# Altium PCB PFC_Stage.PcbDoc (part 2 of 5)
Units mil, origin at the board's own origin, x right, y up, seen from the top; angles counter-clockwise.
Board outline 14960.63 x 6299.21 mil, 2 copper layers (Top Layer, Bottom Layer), stack 64.567 mil thick; 586 components, 249 nets, 1375 pads, 1157 vias.
Unrouted connection lines stored in the file: 732.
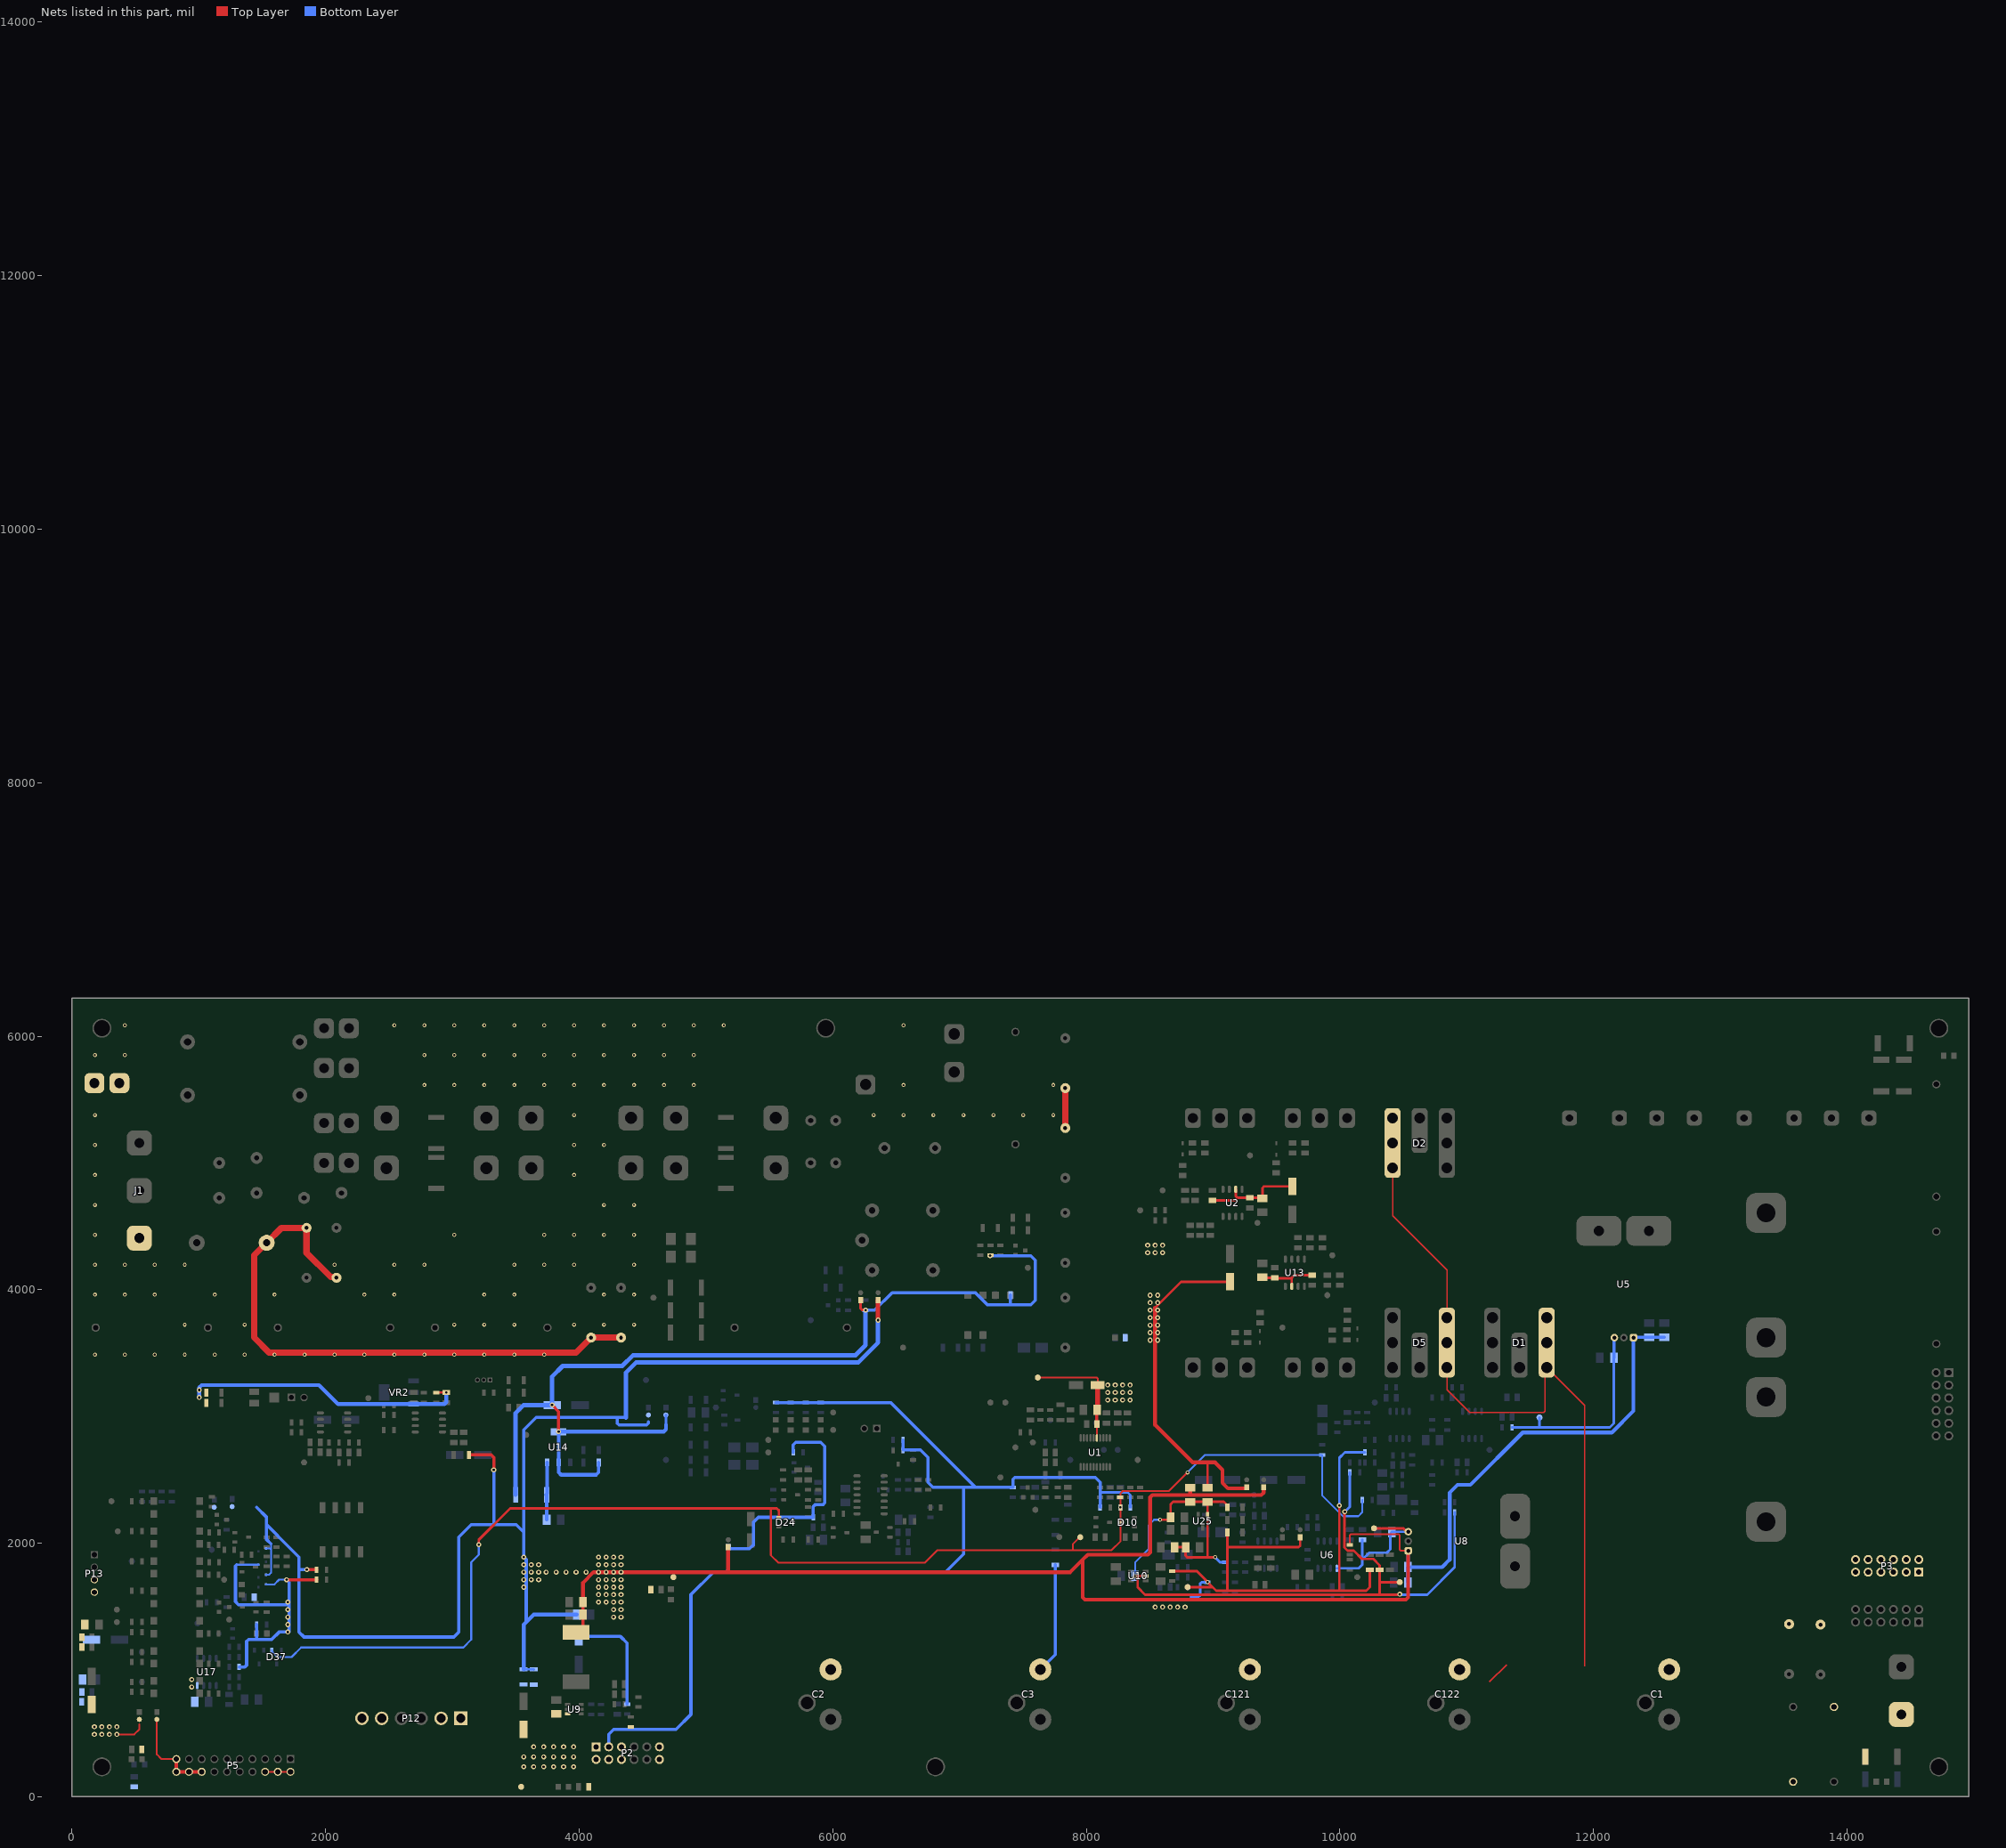
[diagram p2: the nets of this part, all layers, seen from the top]

## Footprints (in the part's own frame and the unit in brackets; to place one, negate y for a bottom-side part, rotate by r counter-clockwise, add the part's x,y. Pads: shape width x height; smd on the part's side, far side on the other; paste and mask are expansions set on the pad) (continued)
MHDR1X3 [mm] "Connector; Header; 3 Position"
  rect 1x1 hole 0.6: 1(0,0)
  round 1 hole 0.6: 2(1.27,0) 3(2.54,0)
  silkscreen extent -0.9,-0.9 3.44,0.9
MOUNTING_HOLE_3MM [mm]
  round 3.8 hole 3.2: 1(0,0)
  silkscreen extent -2.2,-2.2 2.2,2.2, body extent -4.62,-4 4.62,4, height 16.5
Mounting_hole_3mm_no_body [mm]
  round 3.8 hole 3.2: 1(0,0)
  silkscreen extent -2.2,-2.2 2.2,2.2
MOV-14D391K [mm]
  round 2.4 hole 1: 1(0,0) 2(7.5,1)
  silkscreen extent -2,-2 9.5,3, body extent -4.48,-2.12 12.02,3.07, height 23.25
NTC-5D-7 [mm]
  round 2.2 hole 1: 1(0,0) 2(5,0)
  silkscreen extent -1.75,-3 6.75,3, body extent -1.75,-3 6.75,3, height 20.25
PB4010 [mm]
  rrect50% 3x3 hole 1.5: 1(0,0) 2(10,0) 3(25,0) 4(17.5,0)
  silkscreen extent -2.5,-2.3 27.5,3.2, body extent -2.5,-1.6 27.5,3.2, height 30
PFC_TOROID_MPP [mm] "Vertica_Bobbin"
  rrect50% 8x8 hole 3.8: 1(0,0) 2(25,0)
  silkscreen extent -5,-29 30,29, body extent -0.92,-28.63 26.66,28.68, height 58.65
PNSC-FP-V-C_V [mm] "CAPAE, 2-Leads, Body 5.50x5.50mm"
  rect 2.8x1.6 smd: 1(-2.15,0) 2(2.15,0)
  silkscreen extent -4.05,-2.75 2.75,2.75, body extent -3.25,-2.75 3.25,2.75, height 6.1
RELAY_OMRON_5V [mm]
  round 2.8 hole 1.3: 1(6,14.2) 2(0,0) 3(12,0) 4(0,12.2) 5(12,12.2)
  silkscreen extent -2.5,-6 14.5,17, body extent -2.45,-5.85 14.45,16.85, height 19
Relay_T9GS5L14-5 [mm]
  rrect50% 4x4 hole 2.24: 1(-3.81,12.7) 2(13.97,15.24) 3(13.97,22.86)
  round 2.4 hole 1.2: 4(0,0) 5(10.16,0)
  silkscreen extent -6.5,-4.55 16.5,25.5, body extent -5.41,-4.29 15.99,24.61, height 18
SMD-0805-RES [mil]
  rect 60x40 smd: 1(0,40) 2(0,-40)
  silkscreen extent -35,-65 35,65, body extent -24,-39 26,39, height 31
SMD-0805C [mil]
  rect 60x40 smd: 1(0,40) 2(0,-40)
  silkscreen extent -25,0 25,0, body extent -25,-39 25,39, height 35
SMD-1206-RES [mil]
  rect 80x60 smd: 1(0,55) 2(0,-55)
  silkscreen extent -45,-90 45,90, body extent -34,-66 34,66, height 33
SMD-1206C [mil]
  rect 80x60 smd: 1(0,55) 2(0,-55)
  silkscreen extent -45,-90 45,90, body extent -31,-63 32,63, height 39
SMD-2512-RES [mil]
  rect 49x125 smd: 1(-125.5,0) 2(125.5,0)
  silkscreen extent -125,-75 125,75, body extent -125,-59 125,59, height 63
SODFL250X110-2N [mm] "SODFL, 2-Leads, Body 1.30x2.50mm, IPC Medium Density"
  rect 0.8x0.4 smd: 1(-1.15,0) 2(1.15,0)
  silkscreen extent -0.9,-0.7 1.52,0.7, body extent -1.25,-0.7 1.25,0.7, height 1.1
"SOIC127P570X175_HS-9N - No Thermal" [mm] "SOIC, 8-Leads, Body 4.91x3.90mm, Pitch 1.27mm, Thermal Pad 3.00x3.00mm, IPC Medium Density"
  oval 1.45x0.6 smd: 1(-2.725,1.905) 2(-2.725,0.635) 3(-2.725,-0.635) 4(-2.725,-1.905) 5(2.725,-1.905) 6(2.725,-0.635) 7(2.725,0.635) 8(2.725,1.905)
  silkscreen extent -2.85,-2.5 1.6,2.88, body extent -2.77,-2.5 2.77,2.5, height 1.75
"SOIC127P570X175_HS-9N - NO THERMAL" [mm] "SOIC, 8-Leads, Body 4.91x3.90mm, Pitch 1.27mm, Thermal Pad 3.00x3.00mm, IPC Medium Density"
  oval 1.45x0.6 smd: 1(-2.725,1.905) 2(-2.725,0.635) 3(-2.725,-0.635) 4(-2.725,-1.905) 5(2.725,-1.905) 6(2.725,-0.635) 7(2.725,0.635) 8(2.725,1.905)
  silkscreen extent -2.85,-2.5 1.6,2.88, body extent -2.77,-2.5 2.77,2.5, height 1.75
SOIC127P600X265-14N [mm] "SOIC, 14-Leads, Body 8.65x3.90mm, Pitch 1.27mm, IPC Medium Density"
  oval 1.45x0.6 smd: 1(-2.725,3.81) 2(-2.725,2.54) 3(-2.725,1.27) 4(-2.725,0) 5(-2.725,-1.27) 6(-2.725,-2.54) 7(-2.725,-3.81) 8(2.725,-3.81) 9(2.725,-2.54) 10(2.725,-1.27) 11(2.725,0) 12(2.725,1.27) 13(2.725,2.54) 14(2.725,3.81)
  silkscreen extent -2.85,-4.4 1.6,4.78, body extent -3,-4.4 3,4.4, height 2.65
"Solder Bridge - HP" [mm]
  rect 1.2x1 smd: 1(-1.5,0)
  round 1 smd: 2(0,0)
  Top Layer region: 1.173,-0.432 0.816,-0.947 0.253,-1.224 -0.373,-1.193 -0.905,-0.862 -1.21,-0.314 -1.21,0.313 -0.906,0.861 -0.374,1.193 0.252,1.224 0.815,0.948 1.173,0.433 1.173,0.433 0.614,0.43 0.329,0.674 -0.039,0.749 -0.397,0.636 -0.656,0.364 -0.75,0 -0.656,-0.364 -0.397,-0.636 -0.039,-0.749 0.329,-0.674 0.614,-0.43 0.614,-0.43
  Top Layer region: 0,-0.254 0,0.254 1.27,0.254 1.27,-0.254
"SOLDER BRIDGE - HP" [mm]
  rect 1.2x1 smd: 1(-1.5,0)
  round 1 smd: 2(0,0)
  Top Layer region: 1.173,-0.432 0.816,-0.947 0.253,-1.224 -0.373,-1.193 -0.905,-0.862 -1.21,-0.314 -1.21,0.313 -0.906,0.861 -0.374,1.193 0.252,1.224 0.815,0.948 1.173,0.433 1.173,0.433 0.614,0.43 0.329,0.674 -0.039,0.749 -0.397,0.636 -0.656,0.364 -0.75,0 -0.656,-0.364 -0.397,-0.636 -0.039,-0.749 0.329,-0.674 0.614,-0.43 0.614,-0.43
  Top Layer region: 0,-0.254 0,0.254 1.27,0.254 1.27,-0.254
"Solder Bridge - HP - SQ" [mil]
  rect 19.68x19.68 smd: 1(-30,11) 2(30,-11)
  Top Layer region: -30,-16.5 -30,28.5 30,28.5 30,18.5 -20,18.5 -20,-6.5 13,-6.5 13,-16.5
  Top Layer region: -30,-33.5 -30,-23.5 20,-23.5 20,0.5 -13,0.5 -13,11.5 30,11.5 30,-33.5
SOT95P278X110-3N [mm] "SOT23, 3-Leads, Body 2.90x2.78mm, Pitch 0.95mm, IPC Medium Density"
  rect 1x0.6 smd: 1(-1.375,0.95) 2(-1.375,-0.95) 3(1.375,0)
  silkscreen extent -0.53,-1.55 1.65,1.55, body extent -1.52,-1.53 1.52,1.52, height 1.1
SOT95P278X110-6N [mm] "SOT23, 6-Leads, Body 2.90x2.78mm, Pitch 0.95mm, IPC Medium Density"
  rect 1x0.6 smd: 1(-1.375,0.95) 2(-1.375,0) 3(-1.375,-0.95) 4(1.375,-0.95) 5(1.375,0) 6(1.375,0.95)
  silkscreen extent -1.5,-1.55 0.5,1.92, body extent -1.53,-1.53 1.53,1.53, height 1.1
SOT230P700X180-4N [mm] "SOT223, 4-Leads, Body 6.50x7.00mm (avg), Pitch 2.30mm, IPC Medium Density"
  rect 2.15x1 smd: 1(-2.925,2.3) 2(-2.925,0) 3(-2.925,-2.3)
  rect 2.15x3.25 smd: 2(2.925,0)
  silkscreen extent -3.05,-3.35 1.55,3.47, body extent -3.5,-3.35 3.5,3.35, height 1.8
SPADE_PCB_TERMINAL [mm]
  rrect50% 4x4 hole 2: 1(-2.5,4) 1(2.5,4) 2(-2.5,-4) 2(2.5,-4)
  silkscreen extent -5,-6.5 5,6.5, body extent -4.1,-4.4 4,4.3, height 14
SPADE_PCB_TERMINAL_SINGLE [mm]
  rrect50% 4x4 hole 2: 1(-2.5,0) 1(2.5,0)
  silkscreen extent -5,-2.5 5,2.5, body extent -4,-0.5 4,0.3, height 14
STACKABLE-20MM [mm] "Pin Header, pitch 2.54 mm, THT, Vertical, dual row, 12p"
  rect 1.8x1.8 hole 1.1: 1(0,0)
  round 1.8 hole 1.1: 2(0,2.54) 3(2.54,0) 4(2.54,2.54) 5(5.08,0) 6(5.08,2.54) 7(7.62,0) 8(7.62,2.54) 9(10.16,0) 10(10.16,2.54) 11(12.7,0) 12(12.7,2.54)
  silkscreen extent -1.42,-1.35 14.12,3.89, body extent -1.27,-1.27 13.97,3.81, height 23.12
Test_point_SMD [mm]
  round 1.2 smd: 1(0,0)
TSOP65P640X120_HS-21N [mm] "TSOP, 20-Leads, Body 6.50x4.40mm, Pitch 0.65mm, Thermal Pad 5.00x2.00mm, IPC Medium Density"
  oval 1.5x0.45 smd: 1(-2.9,2.925) 2(-2.9,2.275) 3(-2.9,1.625) 4(-2.9,0.975) 5(-2.9,0.325) 6(-2.9,-0.325) 7(-2.9,-0.975) 8(-2.9,-1.625) 9(-2.9,-2.275) 10(-2.9,-2.925) 11(2.9,-2.925) 12(2.9,-2.275) 13(2.9,-1.625) 14(2.9,-0.975) 15(2.9,-0.325) 16(2.9,0.325) 17(2.9,0.975) 18(2.9,1.625) 19(2.9,2.275) 20(2.9,2.925)
  silkscreen extent -3.02,-3.3 1.75,3.82, body extent -3.2,-3.3 3.2,3.3, height 1.2
VY1472M61Y5UC63V0 [mm]
  round 2 hole 0.8: 1(0,0) 2(10,0)
  silkscreen extent -2.5,-2.5 12.5,2.5, body extent -2.75,-2.5 12.75,2.5, height 27.75
WCAP-ASLL_6.3x5.5 [mm] "Aluminium Electrolytic V-Chip SMT Capacitors, 6.3x5.5mm"
  rect 3.5x1.6 smd: 1(-2.8,0) 2(2.8,0)
  silkscreen extent -3.4,-3.4 3.4,3.4, body extent -3.65,-3.3 3.65,3.3, height 5.5
WCAP-ASLU_6.3x5.5 [mm] "Aluminum Electrolytic Capacitors, body diameter 6.3mm"
  rect 3.5x1.6 smd: 1(-2.8,0) 2(2.8,0)
  silkscreen extent -3.4,-3.4 3.4,3.4, body extent -3.65,-3.3 3.65,3.3, height 5.5
WCAP-ASLU_6.3x7.7 [mm] "Aluminum Electrolytic Capacitors, body diameter 6.3mm"
  rect 3.5x1.6 smd: 1(-2.8,0) 2(2.8,0)
  silkscreen extent -3.4,-3.4 3.4,3.4, body extent -3.65,-3.3 3.65,3.3, height 7.7
WE-PD-L [mm] "SMD Inductor, 2-Leads, Body 12.0 x 12.0 mm"
  rect 2.9x5.4 smd: 1(-4.95,0) 2(4.95,0)
  silkscreen extent -6.25,-6.25 6.25,6.25, body extent -6,-6 6,6, height 5.98
WRIS-KSKE_0805_H=0.6mm [mm] "Thick Film Resistors, SMT, body size 2x1.25mm"
  rect 0.7x1.25 smd: 1(-1,0) 2(1,0)
  body extent -1,-0.62 1,0.63, height 0.6
WRIS-KSKE_1206_H=0.6mm#1 [mm] "Thick Film Resistors, SMT, body size 3.1x1.6mm"
  rect 0.85x1.6 smd: 1(-1.525,0) 2(1.525,0)
  silkscreen extent -0.8,-0.87 0.8,0.87, body extent -1.55,-0.8 1.55,0.8, height 0.6
WRIS-KSKE_1206_H=0.6mm#2 [mm] "Thick Film Resistors, SMT, body size 3.1x1.6mm"
  rect 0.85x1.6 smd mask+0.05: 1(-1.525,0)
  rect 0.85x1.6 smd: 2(1.525,0)
  silkscreen extent -0.8,-0.87 0.8,0.87, body extent -1.55,-0.8 1.55,0.8, height 0.6
WRIS-KSKE_2512_H=0.6mm [mm] "Thick Film Resistors, SMT, body size 6.3x3.2mm"
  rect 1x3.2 smd: 1(-3.1,0) 2(3.1,0)
  silkscreen extent -2.3,-1.68 2.3,1.68, body extent -3.15,-1.6 3.15,1.6, height 0.6
XDCR_ACS758 [mm]
  rrect50% 1.5x1.5 hole 0.8: 1(-1.91,0)
  round 1.5 hole 0.8: 2(0,0) 3(1.91,0)
  rrect50% 9x6 hole 2 slot 6 at 0 deg: 4(5,21.4) 5(-5,21.4)
  silkscreen extent -7,-0.82 7,18, body extent -7,-0.1 7,22.25, height 7

## Part data
2.5VCC 5VCC 15VB_IC 15VCC -2.5VCC ACS1_Out ACS1OPO ACS2_Out ACS2OPO CAB CAO CDR COMP_ADD CSA CSB DE_TP ENA ENB GA GATE_EN_ISO_TP GB HV_SENSE_VIN IMO_CMP IMOIC INA INB MAINS_SENSE_TP OC_TRIP OCS_ISO OP1IN2 OP2IN2 OPT_REL2 OPTO_REL1 OPTO_SS OTP_REF OV_ISO OVP_TP PKLMT RDFET RDG RDSH REC_AC REL_ISO_TP REL_SDFET REL_TH_SD_TP RELAYPFC RT SD_ISO_TP SS THM_TP TREL_SDFET UV_ISO UVP_TP VAO VINAC VREF VSENSE: "TP"
5V_D 15V_D Cntrl_SD IMO LED_15V LED_Drv OC_SD OTP OVP UVP: "SMD mono-color Chip LED, WL-SMCW, Green", Color=Green, ComponentLink1Description="Manufacturer URL", ComponentLink1URL=http://www.we-online.com, ComponentLink2Description=Datasheet, ComponentLink2URL=http://katalog.we-online.com/led/datasheet/150080GS75000.pdf, PackageReference=0805_A, PartNumber=150080GS75000
5V_D_OPT 5V_OA 5V_OPT 5V_PNP_R1 5V_PNP_R2 5V_RL1 5V_RL2 5V_SD_OA 15V_D_OPT 15V_OA 15V_OPT 15V_PNP_R1 15V_PNP_R2 15V_RL1 15V_RL2 15V_SD_OA -2.5V_OA GND_OA RD_Bypass SB1: library part "Solder Bridge", "Circuit Breaker", Published=24-Mar-1999, Publisher="Altium Limited", Revision="July-2002: Re-released for DXP Platform."
C1 C2 C3 C121 C122: library part "Cap Pol1", "Polarized Capacitor (Radial)", LatestRevisionDate=17-Jul-2002, LatestRevisionNote="Re-released for DXP Platform.", PackageDescription="Polarized Capacitor (Radial); 2 Leads", PackageReference=RB7.6-15, Published=8-Jun-2000, Publisher="Altium Limited"
C4 C109 C110 C111 C113 C114 C115 C116: library part GC321AD72E103KX01D, "CAP CER 10000PF 250V X7T 0805", Digi-Key Part Number=490-13986-1-ND, Manufacturer="Murata Electronics North America", Operating Temperature="-55°C ~ 125°C", Package / Case="0805 (2012 Metric)", Ratings=AEC-Q200, Temperature Coefficient=X7T, Tolerance=±10%, Voltage=250V, @ qty=0, Applications=Automotive, Datasheets=http://search.murata.co.jp/Ceramy/image/img/A01X/G101/ENG/GC321AD72E103KX01-01.pdf, Factory Stock=0, Features=-, Height - Seated (Max)=-, Image=//media.digikey.com/Renders/Murata%20Renders/0805(GC3)200x125.jpg, Lead Spacing=-, Lead Style=-, Minimum Quantity=1, Mounting Type="Surface Mount, MLCC", Packaging="Cut Tape (CT)", Part Number=GC321AD72E103KX01D, Part Status=Active, Quantity Available=4000, Series=GC3, Size / Dimension="0.079\" L x 0.049\" W (2.00mm x 1.25mm)", Thickness (Max)="0.039\" (1.00mm)", Unit Price (USD)=0.3
C5 C6: library part 890303425004CS, "WCAP-FTBE THT Film Capacitors, 100nF, 630VDC", Capacitance=100nF, Insulation Resistance=9000MOhm, Operating Temperature="-40 to +85degC", Rate of Voltage Rise=28V/us, Rated Voltage=630VDC, ComponentLink1Description=Manufacturer, ComponentLink1URL=http://www.we-online.de, ComponentLink2Description=Datasheet, ComponentLink2URL=https://katalog.we-online.com/pbs/datasheet/890303425004CS.pdf, Dissipation Factor@1kHz=1%, Dissipation Factor@10kHz=1.4%, Dissipation Factor@100kHz=3.2%, Height=12mm, Length=18mm, Mounting Technology=THT, Packaging=Carton, Part Number=890303425004CS, Pitch=15mm, Published Date="August 2019", Publisher="Wurth Elektronik", Technical Reference=MPSP015104K630DCPP45004, Width=6mm
C7 C8 C9 C10 C11 C12 C13 C14 C15 C16 C17 C18 C19 C20 C21 C23 C24 C25 C26 C27 C28 C29 C30 C31 C32 C33 C35 C37 C38 C39 C40 C41 C42 C43 C44 C45 C46 C47 C48 C49 C50 C51 C52 C53 C67 C68 C70 C72 C73 C74 C75 C76 C77 C78 C79 C80 C81 C82 C83 C84 C85 C86 C87 C88 C90 C91 C92 C103 C104 C117 C124 C125 C126: library part Cap, "Capacitor", LatestRevisionDate=17-Jul-2002, LatestRevisionNote="Re-released for DXP Platform.", PackageDescription="Radial Cap, Thru-Hole; 2 Leads; 0.3 in Pin Spacing", PackageReference=RAD-0.3, Published=8-Jun-2000, Publisher="Altium Limited"
  C7 C8 C11: Size=47nF
  C9 C10 C21: Size=150pF
  C12 C19: Size=220p
  C13 C20 C117: Size=1.5uF
  C14 C16 C18 C126: Size=150nF
  C15 C17: Size=1.5nF
  C67 C68 C73: Size=100nF
  C81 C82 C83 C84 C86 C87 C88 C103: Size=1nF
C22 C89: library part CMP-2000-06213-1, "Aluminum Electrolytic Capacitor, 22 uF, +/- 20%, 25 V, 2-Pin SMD (Size Code C), -55 to 105 degC, RoHS, Tape and Reel", Capacitance=22µF, Case Size/Dimension=Ø5x5.8mm, ESR (Equivalent Series Resistance)=0.36O, Lifetime@Temperature=2000Hrs@105°C, Manufacturer=Panasonic, Operating Temp Range=-55to+105°C, Operating Temp-Max=105°C, Package Description="2-Pin Electrolytic Aluminum Capacitor, Body 5.3 x 5.3 mm", Package Reference=FP-V-C, Rated Voltage=25V, Ripple Current=240mA, Datasheet URL=http://industrial.panasonic.com/cdbs/www-data/pdf/RDE0000/ABA0000C1184.pdf, Datasheet Version=03/2016, Manufacturer URL=http://www.panasonic.com/, Mounting Technology=SurfaceMount, Package URL=http://industrial.panasonic.com/cdbs/www-data/pdf/RDE0000/DME0000COL48.pdf, Series=FP, Type=Can
C34 C36 C112 C118: library part 865060443003, "WCAP-ASLL SMT Aluminum Electrolytic Capacitors, D6.3mm x L5.5mm, 33uF, +/-20%, 25VDC", Capacitance=33uF, Capacitance Tolerance=+/-20%, Leakage Current=8.25uA, Operating Temperature="-55 to +105degC", Rated Voltage=25VDC, Ripple Current max.=230mA, ComponentLink1Description=Manufacturer, ComponentLink1URL=http://www.we-online.de, ComponentLink2Description=Datasheet, ComponentLink2URL=https://katalog.we-online.com/pbs/datasheet/865060443003.pdf, Diameter=6.3mm, Dissipation Factor=14%, Endurance=2000h, Length=5.5mm, Mounting Technology=SMT, Packaging="Tape and Reel", Part Number=865060443003, Published Date="August 2019", Publisher="Wurth Elektronik", Technical Reference=ASED055330M025DVCTBB000
C54 C55 C56 C64 C65 C66 C105 C106 C119 C120: "Capacitor", LatestRevisionDate=17-Jul-2002, LatestRevisionNote="Re-released for DXP Platform.", PackageDescription="Radial Cap, Thru-Hole; 2 Leads; 0.3 in Pin Spacing", PackageReference=RAD-0.3, Published=8-Jun-2000, Publisher="Altium Limited"
C57 C58 C59 C60 C61 C62 C63: library part 890324026027CS, "WCAP-FTX2 THT Film Capacitors, 1uF, 275VAC", Capacitance=1uF, Insulation Resistance="10000Ohm x F", Operating Temperature="-40 to +105degC", Rate of Voltage Rise=170V/us, Rated Voltage=275VAC, ComponentLink1Description=Manufacturer, ComponentLink1URL=http://www.we-online.de, ComponentLink2Description=Datasheet, ComponentLink2URL=https://katalog.we-online.com/pbs/datasheet/890324026027CS.pdf, Dissipation Factor@1kHz=0.1%, Dissipation Factor@10kHz=0.7%, Dissipation Factor@100kHz=-, Height=20mm, Length=26mm, Mounting Technology=THT, Packaging="Bulk and Carton", Part Number=890324026027CS, Pitch=22.5mm, Published Date="August 2019", Publisher="Wurth Elektronik", Technical Reference=MX2P225105K275ACPP36004, Width=11mm
C69 C71: library part 865060443004, "WCAP-ASLL SMT Aluminum Electrolytic Capacitors, D6.3mm x L5.5mm, 47uF, +/-20%, 25VDC", Capacitance=47uF, Capacitance Tolerance=+/-20%, Leakage Current=11.75uA, Operating Temperature="-55 to +105degC", Rated Voltage=25VDC, Ripple Current max.=230mA, ComponentLink1Description=Manufacturer, ComponentLink1URL=http://www.we-online.de, ComponentLink2Description=Datasheet, ComponentLink2URL=https://katalog.we-online.com/pbs/datasheet/865060443004.pdf, Diameter=6.3mm, Dissipation Factor=14%, Endurance=2000h, Length=5.5mm, Mounting Technology=SMT, Packaging="Tape and Reel", Part Number=865060443004, Published Date="August 2019", Publisher="Wurth Elektronik", Technical Reference=ASED055470M025DVCTBB000
C93 C97: library part GCM219R71H334KA55D, "CAP CER 0.33UF 50V X7R 0805", Digi-Key Part Number=490-8045-1-ND, Manufacturer="Murata Electronics North America", Operating Temperature="-55°C ~ 125°C", Package / Case="0805 (2012 Metric)", Ratings=AEC-Q200, Temperature Coefficient=X7R, Tolerance=±10%, Voltage=50V, @ qty=0, Applications=Automotive, Datasheets=http://www.murata.com/~/media/webrenewal/support/library/catalog/products/capacitor/mlcc/c03e.ashx, Factory Stock=0, Features=-, Height - Seated (Max)=-, Image=//media.digikey.com/photos/Murata%20Photos/NCP,GCM%20SERIES%200805.jpg, Lead Spacing=-, Lead Style=-, Minimum Quantity=1, Mounting Type="Surface Mount, MLCC", Packaging="Cut Tape (CT)", Part Number=GCM219R71H334KA55D, Part Status=Active, Quantity Available=22035, Series=GCM, Size / Dimension="0.079\" L x 0.049\" W (2.00mm x 1.25mm)", Thickness (Max)="0.037\" (0.95mm)", Unit Price (USD)=0.4
C94 C98 C107 C108: library part GCD21BR71H104KA01L, "CAP CER 0.1UF 50V X7R 0805", Digi-Key Part Number=490-11955-1-ND, Manufacturer="Murata Electronics North America", Operating Temperature="-55°C ~ 125°C", Package / Case="0805 (2012 Metric)", Ratings=AEC-Q200, Temperature Coefficient=X7R, Tolerance=±10%, Voltage=50V, @ qty=0, Applications=Automotive, Datasheets=http://www.murata.com/~/media/webrenewal/support/library/catalog/products/capacitor/mlcc/c03e.ashx, Factory Stock=0, Features=-, Height - Seated (Max)=-, Image=//media.digikey.com/Renders/Murata%20Renders/0805%28GxM6%29.jpg, Lead Spacing=-, Lead Style=-, Minimum Quantity=1, Mounting Type="Surface Mount, MLCC", Packaging="Cut Tape (CT)", Part Number=GCD21BR71H104KA01L, Part Status=Active, Quantity Available=157, Series=GCD, Size / Dimension="0.079\" L x 0.049\" W (2.00mm x 1.25mm)", Thickness (Max)="0.049\" (1.25mm)", Unit Price (USD)=0.24
C95 C99: library part GRT31CR61E106ME01L, "CAP CER 10UF 25V X5R 1206", Digi-Key Part Number=490-12449-1-ND, Manufacturer="Murata Electronics North America", Operating Temperature="-55°C ~ 85°C", Package / Case="1206 (3216 Metric)", Ratings=AEC-Q200, Temperature Coefficient=X5R, Tolerance=±20%, Voltage=25V, @ qty=0, Applications=Automotive, Datasheets=http://search.murata.co.jp/Ceramy/image/img/A01X/G101/ENG/GRT31CR61E106ME01-01.pdf, Factory Stock=0, Features=-, Height - Seated (Max)=-, Image=//media.digikey.com/Renders/Murata%20Renders/GR331BD72E473KW01L.jpg, Lead Spacing=-, Lead Style=-, Minimum Quantity=1, Mounting Type="Surface Mount, MLCC", Packaging="Cut Tape (CT)", Part Number=GRT31CR61E106ME01L, Part Status=Active, Quantity Available=4000, Series=GRT, Size / Dimension="0.126\" L x 0.063\" W (3.20mm x 1.60mm)", Thickness (Max)="0.071\" (1.80mm)", Unit Price (USD)=0.56
C96 C100: library part 865090445006, "WCAP-ASLU Aluminium Electrolytic Capacitors, D6.3mm x L7.7mm, 47uF, +/-20%, 25VDC", Capacitance=47uF, Capacitance Tolerance=+/-20%, Leakage Current=2.35uA, Operating Temperature="-40 to +85degC", Rated Voltage=25VDC, Ripple Current max.=65mA, ComponentLink1Description=Manufacturer, ComponentLink1URL=http://www.we-online.de, ComponentLink2Description=Datasheet, ComponentLink2URL=https://katalog.we-online.com/pbs/datasheet/865090445006.pdf, Diameter=6.3mm, Dissipation Factor=16%, Endurance=1000h, Length=7.7mm, Mounting Technology=SMD, Packaging="Tape and Reel", Part Number=865090445006, Published Date="August 2019", Publisher="Wurth Elektronik", Technical Reference=ASBD077470M025DVCTCA000
C101: library part GCJ31CR71H225KA12L, "CAP CER 2.2UF 50V X7R 1206", Digi-Key Part Number=490-5809-1-ND, Manufacturer="Murata Electronics North America", Operating Temperature="-55°C ~ 125°C", Package / Case="1206 (3216 Metric)", Ratings=AEC-Q200, Temperature Coefficient=X7R, Tolerance=±10%, Voltage=50V, @ qty=0, Applications="Automotive, Boardflex Sensitive", Datasheets=http://www.murata.com/~/media/webrenewal/support/library/catalog/products/capacitor/mlcc/c03e.ashx, Factory Stock=0, Features="Soft Termination", Height - Seated (Max)=-, Image=//media.digikey.com/Renders/Murata%20Renders/GR331BD72E473KW01L.jpg, Lead Spacing=-, Lead Style=-, Minimum Quantity=1, Mounting Type="Surface Mount, MLCC", Packaging="Cut Tape (CT)", Part Number=GCJ31CR71H225KA12L, Part Status=Active, Quantity Available=120717, Series=GCJ, Size / Dimension="0.126\" L x 0.063\" W (3.20mm x 1.60mm)", Thickness (Max)="0.075\" (1.90mm)", Unit Price (USD)=0.4
C102: library part 865090543005, "WCAP-ASLU Aluminium Electrolytic Capacitors, D6.3mm x L5.5mm, 22uF, +/-20%, 35VDC", Capacitance=22uF, Capacitance Tolerance=+/-20%, Leakage Current=1.54uA, Operating Temperature="-40 to +85degC", Rated Voltage=35VDC, Ripple Current max.=46mA, ComponentLink1Description=Manufacturer, ComponentLink1URL=http://www.we-online.de, ComponentLink2Description=Datasheet, ComponentLink2URL=https://katalog.we-online.com/pbs/datasheet/865090543005.pdf, Diameter=6.3mm, Dissipation Factor=14%, Endurance=1000h, Length=5.5mm, Mounting Technology=SMD, Packaging="Tape and Reel", Part Number=865090543005, Published Date="August 2019", Publisher="Wurth Elektronik", Technical Reference=ASBD055220M035DVCTBA000
C123 C127 C130 C131: library part GRM219R61H105KA73D, "CAP CER 1UF 50V X5R 0805", Digi-Key Part Number=490-10743-1-ND, Manufacturer="Murata Electronics North America", Operating Temperature="-55°C ~ 85°C", Package / Case="0805 (2012 Metric)", Ratings=-, Temperature Coefficient=X5R, Tolerance=±10%, Voltage=50V, @ qty=0, Applications="General Purpose", Datasheets=http://www.murata.com/~/media/webrenewal/support/library/catalog/products/capacitor/mlcc/c02e.pdf, Factory Stock=0, Features=-, Height - Seated (Max)=-, Image=//media.digikey.com/Renders/Murata%20Renders/0805%20(2012%20Metric)%20.85mm.jpg, Lead Spacing=-, Lead Style=-, Minimum Quantity=1, Mounting Type="Surface Mount, MLCC", Packaging="Cut Tape (CT)", Part Number=GRM219R61H105KA73D, Part Status=Active, Quantity Available=3572, Series=GRM, Size / Dimension="0.079\" L x 0.049\" W (2.00mm x 1.25mm)", Thickness (Max)="0.037\" (0.95mm)", Unit Price (USD)=0.19
C128 C129: library part GCJ31CR71A106KA13L, "CAP CER 10UF 10V X7R 1206", Digi-Key Part Number=490-5848-1-ND, Manufacturer="Murata Electronics North America", Operating Temperature="-55°C ~ 125°C", Package / Case="1206 (3216 Metric)", Ratings=AEC-Q200, Temperature Coefficient=X7R, Tolerance=±10%, Voltage=10V, @ qty=0, Applications="Automotive, Boardflex Sensitive", Datasheets=http://www.murata.com/~/media/webrenewal/support/library/catalog/products/capacitor/mlcc/c03e.ashx, Factory Stock=0, Features="Soft Termination", Height - Seated (Max)=-, Image=//media.digikey.com/Renders/Murata%20Renders/GR331BD72E473KW01L.jpg, Lead Spacing=-, Lead Style=-, Minimum Quantity=1, Mounting Type="Surface Mount, MLCC", Packaging="Cut Tape (CT)", Part Number=GCJ31CR71A106KA13L, Part Status=Active, Quantity Available=33084, Series=GCJ, Size / Dimension="0.126\" L x 0.063\" W (3.20mm x 1.60mm)", Thickness (Max)="0.063\" (1.60mm)", Unit Price (USD)=0.71
C132 C133: library part 865090545008, "WCAP-ASLU Aluminium Electrolytic Capacitors, D6.3mm x L7.7mm, 47uF, +/-20%, 35VDC", Capacitance=47uF, Capacitance Tolerance=+/-20%, Leakage Current=3.29uA, Operating Temperature="-40 to +85degC", Rated Voltage=35VDC, Ripple Current max.=75mA, ComponentLink1Description=Manufacturer, ComponentLink1URL=http://www.we-online.de, ComponentLink2Description=Datasheet, ComponentLink2URL=https://katalog.we-online.com/pbs/datasheet/865090545008.pdf, Diameter=6.3mm, Dissipation Factor=14%, Endurance=1000h, Length=7.7mm, Mounting Technology=SMD, Packaging="Tape and Reel", Part Number=865090545008, Published Date="August 2019", Publisher="Wurth Elektronik", Technical Reference=ASBD077470M035DVCTCA000
D1 D2 D5: "Schottky Rectifier", ComponentLink1Description="Manufacturer Link", ComponentLink1URL=http://www.irf.com/, ComponentLink2Description=Datasheet, ComponentLink2URL=http://www.irf.com/product-info/datasheets/data/10tq.pdf, DatasheetVersion=PD-2.057B, LatestRevisionDate=17-Jul-2002, LatestRevisionNote="Re-released for DXP Platform.", Note="Terminal 2 is the TAB and is electrically connected to the cathode", PackageDescription="TO, Thru-Hole, Vertical, Heatsink Mounted; 3 In-Line Leads (1 Absent); Pitch 2.54 mm", PackageReference=TO-220AC, PackageVersion=Feb-1998, Published=8-Jun-2000, Publisher="Altium Limited"
D3 D4 D6 D7: library part BAS16_SOD, "Silicon Switching Diode, SOT323, Reel, Green", Manufacturer=Infineon, ComponentLink1Description="Manufacturer URL", ComponentLink1URL=http://www.infineon.com/, ComponentLink2Description=Datasheet, ComponentLink2URL=http://www.infineon.com/dgdl/bas16series.pdf?folderId=db3a30431400ef6801141b5844e103ea&fileId=db3a30431400ef6801141b93811b03ff, ComponentLink3Description="Package Specification", ComponentLink3URL=http://www.infineon.com/dgdl/SOT323-Package_Overview.pdf?folderId=db3a30431936bc4b0119533e1dcb3c92&fileId=db3a30431936bc4b011953495f283cb1, Configuration=Single, Green=TRUE, Halogen-free=TRUE, IF (max)="250Â mA", IR (max)="100Â nA", Mounting Technology="Surface Mount", PackageDescription="3-Pin Small Outline Transistor Package, 1.25 x 2 mm Body, 0.65 mm Pitch", PackageReference=SOT323, PartNumber=BAS16W, trr (max)="4Â ns", VBR (min)="85Â V", VF (max)="1.25Â V", VR (max)="80Â V"
D8 D9 D10 D11 D20 D23 D29 D35: library part BAS16, "Silicon Switching Diode, SOT323, Reel, Green", Manufacturer=Infineon, ComponentLink1Description="Manufacturer URL", ComponentLink1URL=http://www.infineon.com/, ComponentLink2Description=Datasheet, ComponentLink2URL=http://www.infineon.com/dgdl/bas16series.pdf?folderId=db3a30431400ef6801141b5844e103ea&fileId=db3a30431400ef6801141b93811b03ff, ComponentLink3Description="Package Specification", ComponentLink3URL=http://www.infineon.com/dgdl/SOT323-Package_Overview.pdf?folderId=db3a30431936bc4b0119533e1dcb3c92&fileId=db3a30431936bc4b011953495f283cb1, Configuration=Single, Green=TRUE, Halogen-free=TRUE, IF (max)="250Â mA", IR (max)="100Â nA", Mounting Technology="Surface Mount", PackageDescription="3-Pin Small Outline Transistor Package, 1.25 x 2 mm Body, 0.65 mm Pitch", PackageReference=SOT323, PartNumber=BAS16W, trr (max)="4Â ns", VBR (min)="85Â V", VF (max)="1.25Â V", VR (max)="80Â V"
D12 D13 D14 D15 D17 D18 D30 D31 D32: "Schottky Rectifier, 1.1 W, -65 to 125 degC, 2-Pin SMD, RoHS, Tape and Reel", Average Forward Current-Max (A)=1, Manufacturer=Fairchild, Package Body Material=PLASTIC/EPOXY, Package Description="2-Pin Surface Mount Device, Body 4.375 x 2.725 mm", Package Reference=DO-214AC-2, Package Shape=RECTANGULAR, Package Style=SMALLOUTLINE, Peak Reflow Temperature (Cel)=260, Power Dissipation Limit-Max (W)=1.1, Rep Pk Reverse Voltage-Max (V)=40, Additional Feature=FREEWHEELINGDIODE, CAGE Code=1HBD3,07933,59621,7D893, Configuration=SINGLE, Datasheet URL=http://www.onlinecomponents.com/datasheet/ss14.aspx?p=11369800, Datasheet Version=Oct-13, Diode Element Material=SILICON, JEDEC-95 Code=DO-214AC, JESD-30 Code=R-PDSO-C2, JESD-97 Code=e3, Lead Free=YES, Manufacturer URL=https://www.fairchildsemi.com/, Moisture Sensitivity Level=1, Number of Elements=1, Number of Terminals=2, Package URL=https://www.fairchildsemi.com/package-drawings/DO/DO214AC.pdf, RoHS Compliant=YES, Signal Diode Type=SIGNALDIODE, Surface Mount=YES, Technology=SCHOTTKY, Terminal Finish=MATTETIN, Terminal Form=CBEND, Terminal Position=DUAL
D16 D19: "Full Wave Diode Bridge", DatasheetVersion=E2732B, LatestRevisionDate=29-May-2009, LatestRevisionNote="Sch pins A & K swapped.", PackageDescription="Bridge Rectifier; 4 Terminals; Body 9.4 x 9.4 mm (typ); Pitch 5.08 mm", PackageReference=D-38, Published=8-Jun-2000, Publisher="Altium Limited"
D21 D22 D24 D25 D26 D27 D28 D36 D37 D38: "Silicon Switching Diode, SOT323, Reel, Green", Manufacturer=Infineon, PartNumber=BAS16W, ComponentLink1Description="Manufacturer URL", ComponentLink1URL=http://www.infineon.com/, ComponentLink2Description=Datasheet, ComponentLink2URL=http://www.infineon.com/dgdl/bas16series.pdf?folderId=db3a30431400ef6801141b5844e103ea&fileId=db3a30431400ef6801141b93811b03ff, ComponentLink3Description="Package Specification", ComponentLink3URL=http://www.infineon.com/dgdl/SOT323-Package_Overview.pdf?folderId=db3a30431936bc4b0119533e1dcb3c92&fileId=db3a30431936bc4b011953495f283cb1, Configuration=Single, Green=TRUE, Halogen-free=TRUE, IF (max)="250Â mA", IR (max)="100Â nA", Mounting Technology="Surface Mount", PackageDescription="3-Pin Small Outline Transistor Package, 1.25 x 2 mm Body, 0.65 mm Pitch", PackageReference=SOT323, trr (max)="4Â ns", VBR (min)="85Â V", VF (max)="1.25Â V", VR (max)="80Â V"
J1 P7: "Header, 3-Pin", LatestRevisionDate=17-Jul-2002, LatestRevisionNote="Re-released for DXP Platform.", Publisher="Altium Limited"
J2: "Earth", LatestRevisionDate=17-Jul-2002, LatestRevisionNote="Re-released for DXP Platform.", Publisher="Altium Limited"
K1 K2: "SPDT Relay", LatestRevisionDate=17-Jul-2002, LatestRevisionNote="Re-released for DXP Platform.", PackageReference=MODULE5B, Published=8-Jun-2000, Publisher="Altium Limited"
L3: library part CMP-0227-00698-1, "SMD-Shielded Power Inductor WE-PD, L = 4.70 µH", Inductance="4.70 ÂµH", ComponentLink1Description="Manufacturer Link", ComponentLink1URL=http://www.we-online.com, ComponentLink2Description=Datasheet, ComponentLink2URL=http://www.we-online.de/katalog/media/pdf/744771004.pdf, DatasheetVersion="ver 7, Sep-2006", PackageDescription="SMD Inductor, 2-Leads, Body 12.0 x 12.0 mm", PackageReference=WE-PD-L, PackageVersion=2006
LED_5V: "SMD mono-color Chip LED, WL-SMCW, Blue", Color=Blue, ComponentLink1Description="Manufacturer URL", ComponentLink1URL=http://www.we-online.com, ComponentLink2Description=Datasheet, ComponentLink2URL=http://katalog.we-online.com/led/datasheet/150080BS75000.pdf, PackageReference=0805_A, PartNumber=150080BS75000
LED_400V LED_HV_RC: "SMD mono-color Chip LED, WL-SMCW, Red", Color=Red, ComponentLink1Description="Manufacturer URL", ComponentLink1URL=http://www.we-online.com, ComponentLink2Description=Datasheet, ComponentLink2URL=http://katalog.we-online.com/led/datasheet/150080RS75000.pdf, PackageReference=0805_A, PartNumber=150080RS75000
P1 P2 P3 P4: "Header, 6-Pin, Dual row, Right Angle", LatestRevisionDate=17-Jul-2002, LatestRevisionNote="Re-released for DXP Platform.", Publisher="Altium Limited"
P5: "Male Box Header WR-BHD, THT, Vertical, pitch 2.54 mm, 20 pins", Contact Resistance="20 mOhm", Operating Temperature="-40 to 125 degC", Withstanding Voltage="500 VAC", Working Voltage="250 VAC", ComponentLink1Description=Manufacturer, ComponentLink1URL=http://www.we-online.de, ComponentLink2Description=Datasheet, ComponentLink2URL=https://katalog.we-online.de/em/datasheet/6120xx21621.pdf, Gender=Male, Mounting Technology=THT, Orientation=Vertical, Packaging=Tray, Part Number=61202021621, Pin Number=20, Pitch="2.54 mm", Published Date="August 2018", Publisher="Wurth Elektronik"
P6 P8 P9 P11: "Header, 2-Pin", LatestRevisionDate=17-Jul-2002, LatestRevisionNote="Re-released for DXP Platform.", Publisher="Altium Limited"
P10: library part 61900211121, "WR-WTB THT Male Vertical Locking Header, pitch 2.54mm, 2p", Contact Resistance=20mOhm, Operating Temperature="-40 to +105degC", Rated Current=3A, Withstanding Voltage=1000VAC, Working Voltage=250VAC, ComponentLink1Description=Manufacturer, ComponentLink1URL=http://www.we-online.de, ComponentLink2Description=Datasheet, ComponentLink2URL=https://www.we-online.com/catalog/datasheet/61900211121.pdf, Gender=Male, Mounting Technology=THT, Packaging=Bag, Part Number=61900211121, Pin Number=2, Pitch=2.54mm, Published Date="January 2020", Publisher="Wurth Elektronik", Type=Vertical
P12: "WR-WTB THT Male Vertical Locking Header, pitch 3.96mm, 6p", Contact Resistance=20mOhm, Operating Temperature="-40 to +105degC", Rated Current=7A, Withstanding Voltage=1500VAC, Working Voltage=250VAC, ComponentLink1Description=Manufacturer, ComponentLink1URL=http://www.we-online.de, ComponentLink2Description=Datasheet, ComponentLink2URL=https://www.we-online.com/catalog/datasheet/645006114822.pdf, Gender=Male, Mounting Technology=THT, Packaging=Bag, Part Number=645006114822, Pin Number=6, Pitch=3.96mm, Published Date="January 2020", Publisher="Wurth Elektronik", Type=Vertical
P13: "WR-WTB “J” Type THT Vertical Male Shrouded Header, pitch 2.5mm, 4p", Contact Resistance=20mOhm, Operating Temperature="-25 to +85degC", Rated Current=3A, Withstanding Voltage=800VAC, Working Voltage=250VAC, ComponentLink1Description=Manufacturer, ComponentLink1URL=http://www.we-online.de, ComponentLink2Description=Datasheet, ComponentLink2URL=https://www.we-online.com/catalog/datasheet/68800411622.pdf, Gender=Male, Mounting Technology=THT, Packaging=Bag, Part Number=68800411622, Pin Number=4, Pitch=2.5mm, Published Date="January 2020", Publisher="Wurth Elektronik", Type=Vertical
Q1 Q2 Q3 Q4: library part NMOS-2, "N-Channel Power MOSFET", ComponentLink1Description="Manufacturer Link", ComponentLink1URL=http://www.irf.com/, DatasheetVersion=PD-9.814, LatestRevisionDate=17-Jul-2002, LatestRevisionNote="Re-released for DXP Platform.", Note="Pin 2 is electrically connected to pin 4.", PackageDescription="TO, Thru-Hole, Vertical, Heatsink Mounted; 3 In-Line Leads; Pitch 2.54 mm", PackageReference=TO-220AB, PackageVersion=Feb-1997, Published=8-Jun-2000, Publisher="Altium Limited"
Q5 Q7 Q9 Q13 Q14: library part CMP-2000-07433-1, "N-Channel Enhancement Mode MOSFET, 100 V, -55 to 150 degC, 3-Pin SOT23, RoHS, Tape and Reel", Drain-Source On Resistance-Max=0.7O, Drain-to-Source Voltage [Vdss]=100V, Manufacturer="Diodes Inc", Package Description="3-Pin Small Outline Transistor, Body 2.9 x 1.3 mm, Pitch 0.96 mm", Package Reference=SOT23-3, Rated Power Dissipation=625mW, Channel Type=N-Channel, Datasheet URL=http://www.diodes.com/_files/datasheets/ZXMN10A07F.pdf, Datasheet Version="Rev. 6-2, 08/2012", Manufacturer URL=http://www.diodes.com/, Mounting Technology=SurfaceMount, Qg Gate Charge=2.9nC
Q6 Q8 Q10: library part CMP-1099-00028-1, "P-Channel SIPMOS Small-Signal-Transistor, -60 V VDS, -0.17 A ID, -55 to 150 degC, PG-SOT23, Reel, Green", Manufacturer=Infineon, ComponentLink1Description="Manufacturer URL", ComponentLink1URL=http://www.infineon.com/, ComponentLink2Description=Datasheet, ComponentLink2URL=http://www.infineon.com/dgdl/BSS84P_Rev2.7%5B1%5D.pdf?folderId=db3a304314dca38901154a72e3951a65&fileId=db3a304330f68606013118ac7a9b4549, ComponentLink3Description="Package Specification", ComponentLink3URL=http://www.infineon.com/dgdl/SOT23-Package_Overview.pdf?folderId=db3a30431936bc4b0119532290053c66&fileId=db3a30431936bc4b0119533468123c85, DatasheetVersion="Rev. 2.7", Green=TRUE, Halogen-free=TRUE, ID (max)="-0.17Â A", IDpuls (max)="-0.68Â A", Mounting Technology="Surface Mount", PackageDescription="3-Pin Small Outline Transistor Package, 2.9 x 1.3 mm Body, 0.95 mm Pitch", PackageReference=PG-SOT23, PackageVersion=Apr-08, Packing=Reel, PartNumber=BSS84P, Pto t (max)="0.36Â W", QG="1Â nC", RDS (on) (max)="8,000Â mOhm", RDS (on) (max) (@4.5V)="12,000Â mOhm", Rth="350Â K/W", VDS (max)="-60Â V", VGS(th) (max)="-2Â V", VGS(th) (min)="-1Â V"
R1 R2 R3 R4 R10 R11 R12 R13: library part ERJ-6BQF4R7V, "RES SMD 4.7 OHM 1% 1/3W 0805", Digi-Key Part Number=P15995CT-ND, Manufacturer="Panasonic Electronic Components", Operating Temperature="-55°C ~ 125°C", Package / Case="0805 (2012 Metric)", Power (Watts)="0.333W, 1/3W", Supplier Device Package=0805, Temperature Coefficient=±200ppm/°C, Tolerance=±1%, @ qty=1500, Composition="Thick Film", Datasheets=https://industrial.panasonic.com/cdbs/www-data/pdf/RDA0000/AOA0000C239.pdf, Factory Stock=0, Failure Rate=-, Features="Automotive AEC-Q200, Current Sense", Height - Seated (Max)="0.028\" (0.70mm)", Image=//media.digikey.com/Renders/Panasonic%20Renders/ERJ-0805%20Pkg.jpg, Minimum Quantity=1, Number of Terminations=2, Packaging="Cut Tape (CT)", Part Number=ERJ-6BQF4R7V, Part Status=Active, Quantity Available=9150, Series=ERJ, Size / Dimension="0.079\" L x 0.049\" W (2.00mm x 1.25mm)", Unit Price (USD)=0.07013
R5 R6 R14 R15: library part ERJ-6ENF1002V, "RES SMD 10K OHM 1% 1/8W 0805", Digi-Key Part Number=P10.0KCCT-ND, Manufacturer="Panasonic Electronic Components", Operating Temperature="-55°C ~ 155°C", Package / Case="0805 (2012 Metric)", Power (Watts)="0.125W, 1/8W", Supplier Device Package=0805, Temperature Coefficient=±100ppm/°C, Tolerance=±1%, @ qty=1500, Composition="Thick Film", Datasheets=http://industrial.panasonic.com/www-cgi/jvcr13pz.cgi?E+PZ+3+AOA0002+ERJ6ENF1002V+7+WW, Factory Stock=0, Failure Rate=-, Features="Automotive AEC-Q200", Height - Seated (Max)="0.028\" (0.70mm)", Image=//media.digikey.com/Renders/Panasonic%20Renders/ERJ-0805%20Pkg.jpg, Minimum Quantity=1, Number of Terminations=2, Packaging="Cut Tape (CT)", Part Number=ERJ-6ENF1002V, Part Status=Active, Quantity Available=3985614, Series=ERJ, Size / Dimension="0.079\" L x 0.049\" W (2.00mm x 1.25mm)", Unit Price (USD)=0.00729